# KiCad board 10087.kicad_pcb (continued)
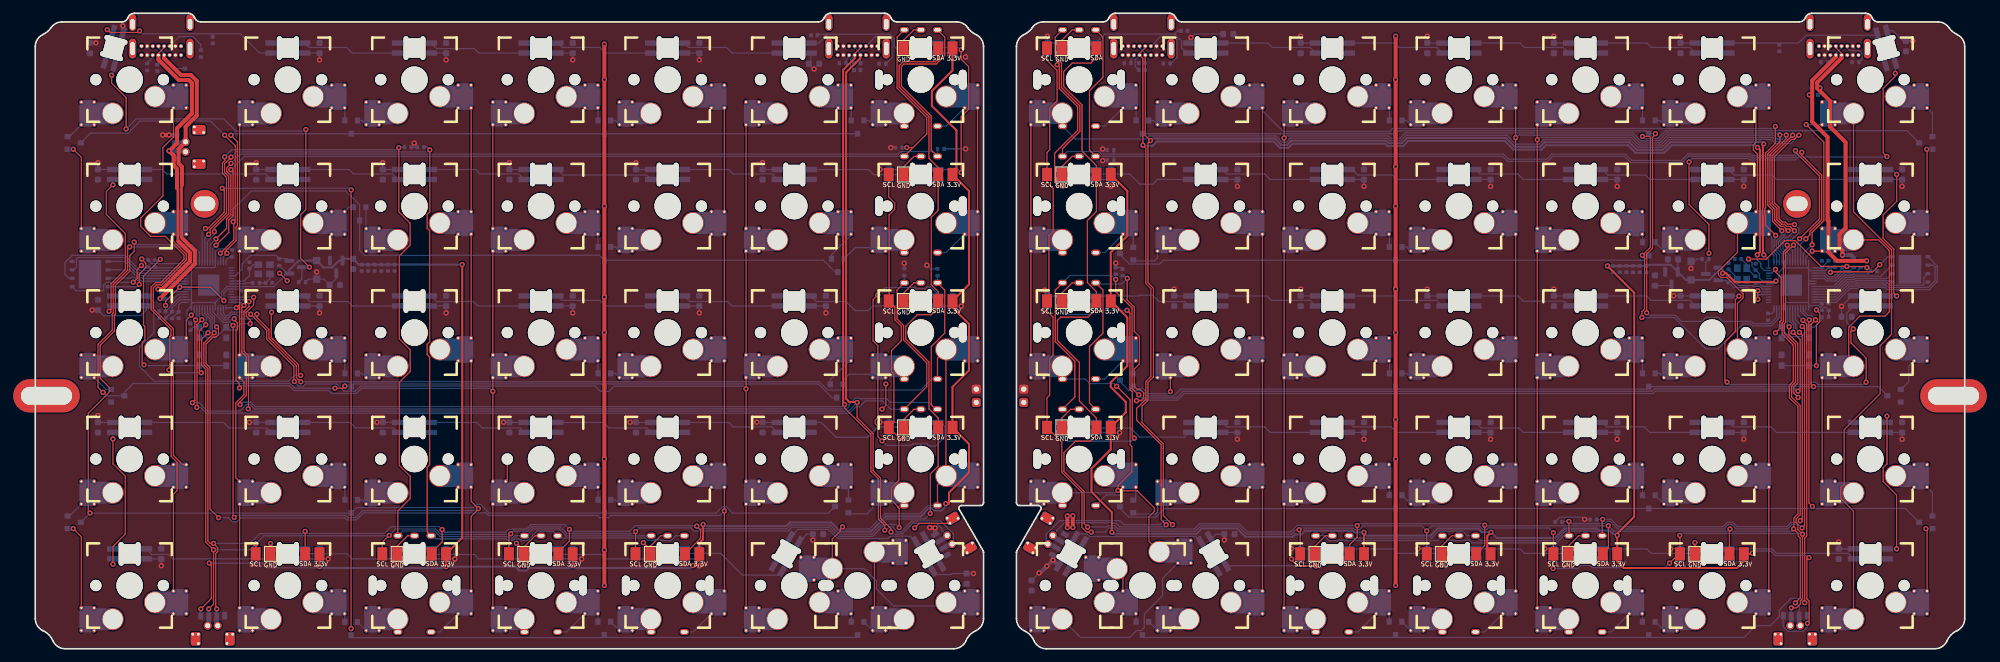
[diagram p0: board, top side]
## Copper pours and planes (outline as drawn; the poured copper is in the pictures) (continued)
GND on Bottom: 290.41,0 -0.1,0 -0.1,96.44 290.41,96.44

## Text on the board
B.Silkscreen: TX / RX | D- / D+ | Rock and Stone! | 5V / GND | MÜN 2 / 10087-02 / RGBKB / LEFT | RESET / BOOT | MÜN 2 / 10087-02 / RGBKB / RIGHT
